# Altium PCB Load_Bank_Master.PcbDoc (part 1 of 3) (continued)
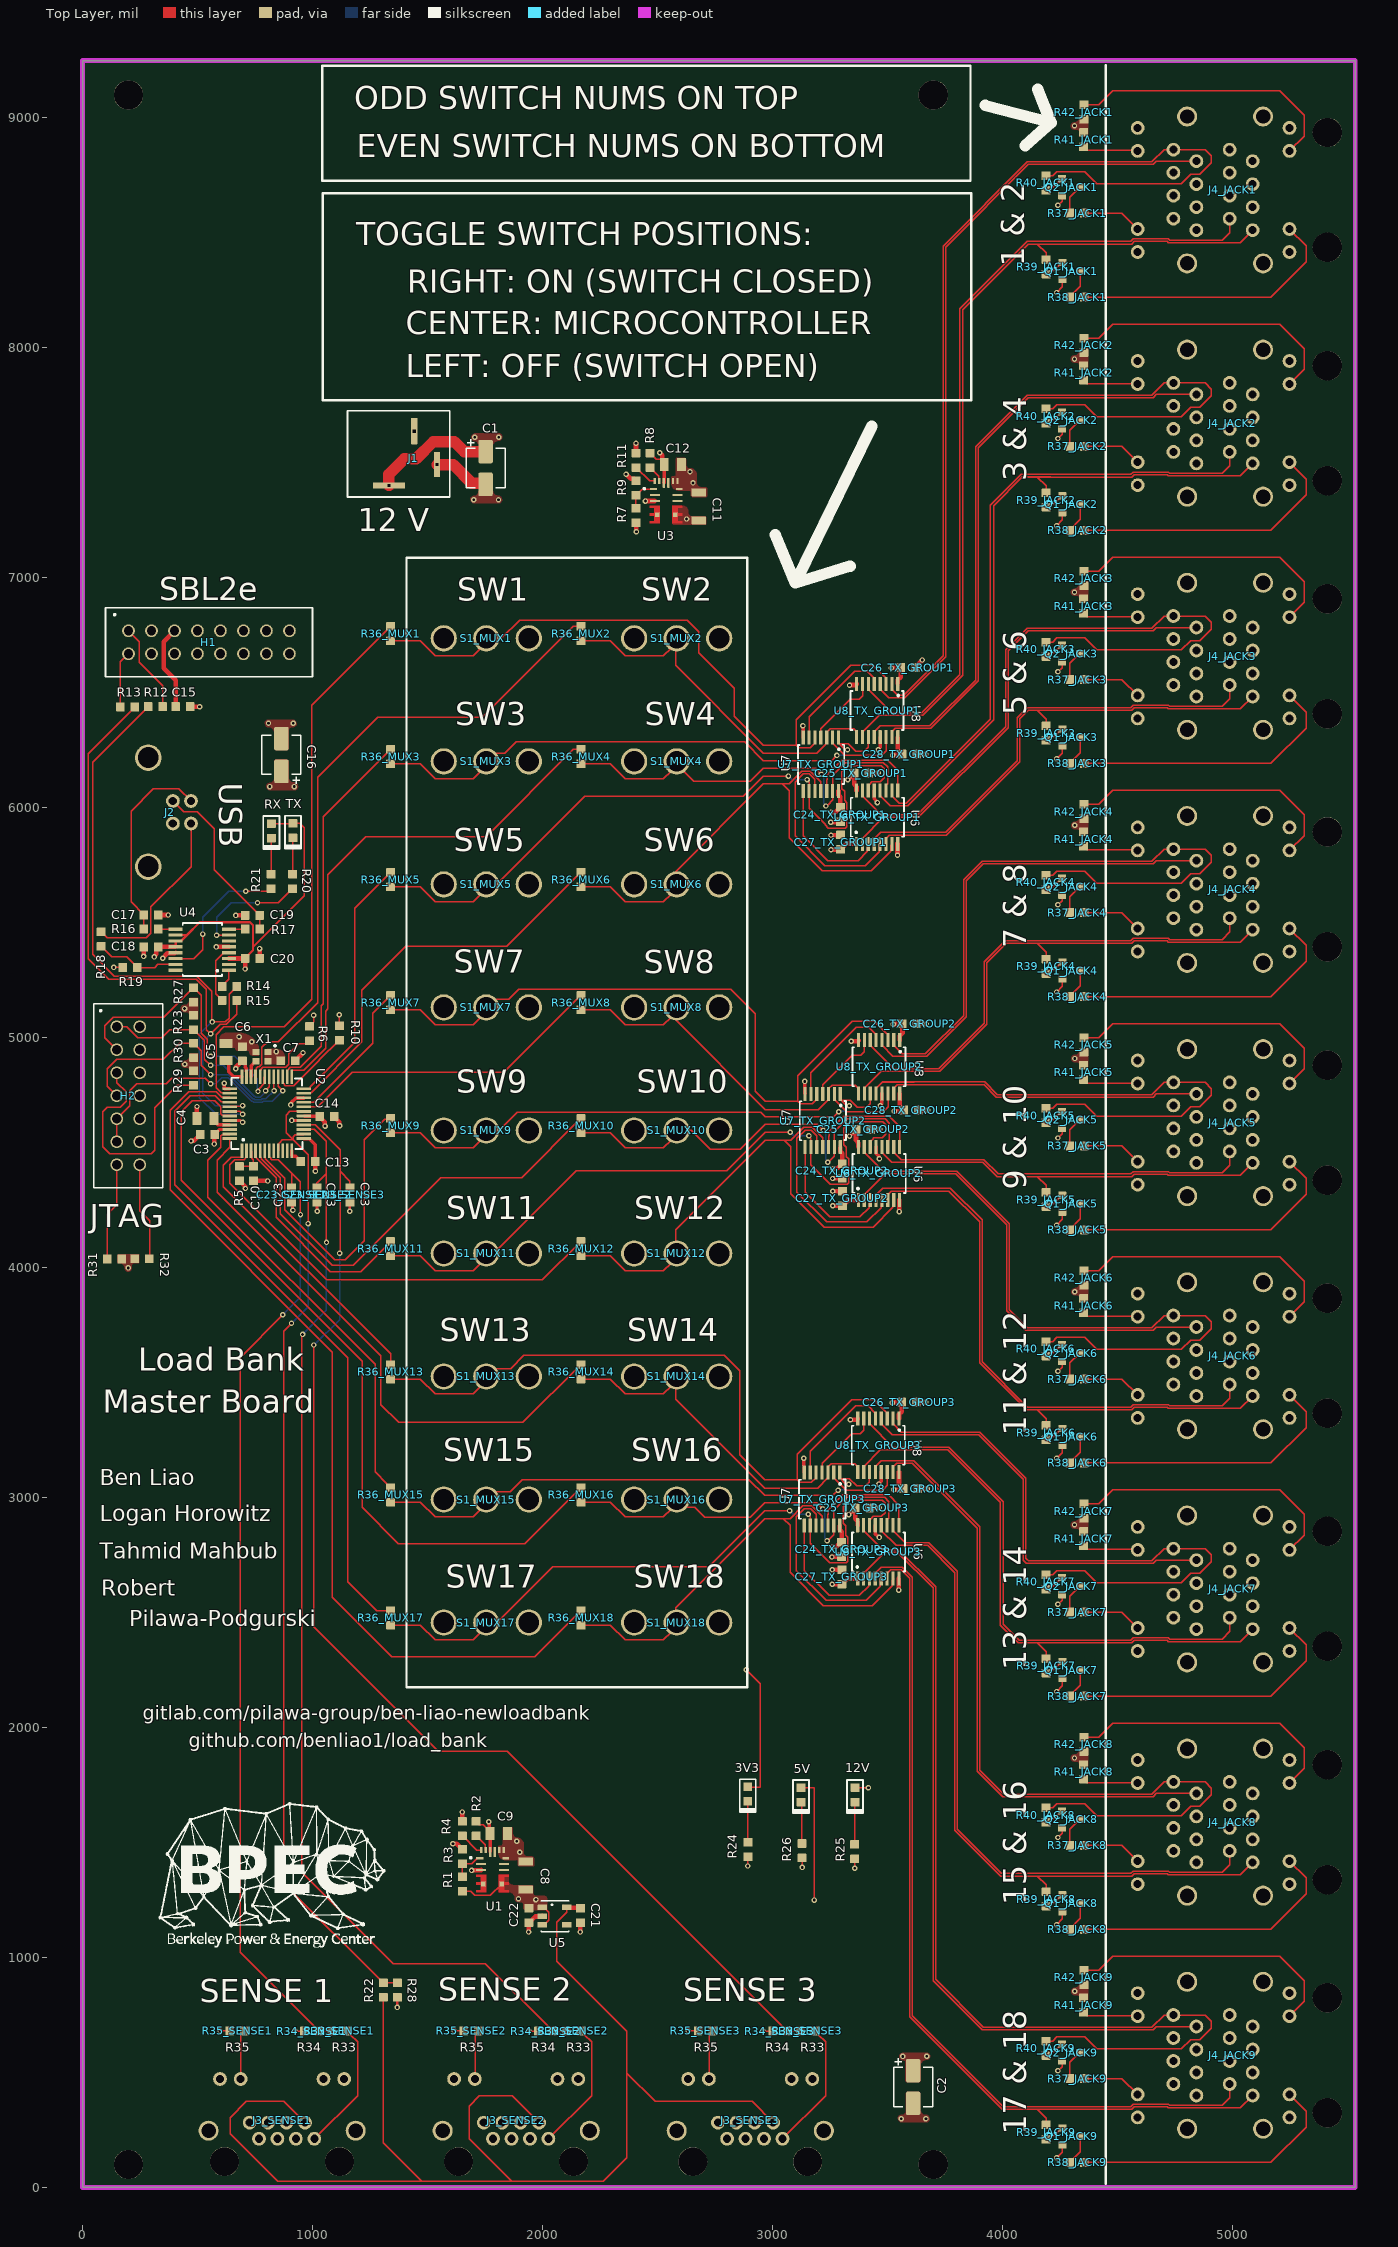
[diagram p0: Top Layer view]
## Design rules (kind name [scope] priority, off if disabled: settings) (continued)
RoomDefinition JACK5 [InComponentClass('JACK5')] p26: confinementstyle=ConfineIn formatcopy=TRUE lockcomponents=FALSE outline 4108,4130 5820,4130 5820,5144 4108,5144
RoomDefinition JACK4 [InComponentClass('JACK4')] p27: confinementstyle=ConfineIn formatcopy=TRUE lockcomponents=FALSE outline 4108,5144 5820,5144 5820,6158 4108,6158
RoomDefinition JACK3 [InComponentClass('JACK3')] p28: confinementstyle=ConfineIn formatcopy=TRUE lockcomponents=FALSE outline 4108,6158 5820,6158 5820,7172 4108,7172
RoomDefinition JACK2 [InComponentClass('JACK2')] p29: confinementstyle=ConfineIn formatcopy=TRUE lockcomponents=FALSE outline 4108,7172 5820,7172 5820,8186 4108,8186
RoomDefinition JACK1 [InComponentClass('JACK1')] p30: confinementstyle=ConfineIn formatcopy=TRUE lockcomponents=FALSE outline 4108,8186 5820,8186 5820,9200 4108,9200
RoomDefinition SENSE3 [InComponentClass('SENSE3') and not InComponent('C23_SENSE3')] p31: confinementstyle=ConfineIn formatcopy=TRUE lockcomponents=FALSE outline 2394,719 2394,-248 3412,-248 3412,719
RoomDefinition SENSE2 [InComponentClass('SENSE2') and not InComponent('C23_SENSE2')] p32: confinementstyle=ConfineIn formatcopy=TRUE lockcomponents=FALSE outline 1376,719 1376,-248 2394,-248 2394,719
RoomDefinition SENSE1 [InComponentClass('SENSE1') and not InComponent('C23_SENSE1')] p33: confinementstyle=ConfineIn formatcopy=FALSE lockcomponents=FALSE outline 358,719 358,-248 1376,-248 1376,719
RoutingVias [All] p1: holewidth=11.81 width=23.62 viastyle="Through Hole" minholewidth=11.81 minwidth=23.62 maxholewidth=248.03 maxwidth=393.7
SilkToSilkClearance [All] p1 off: silktosilkclearance=10
SilkToSolderMaskClearance [IsPad] p1 off: minsilkscreentomaskgap=10 clearancetoexposedcopper=TRUE
SolderMaskExpansion [All] p1: expansion=4 istentingtop=FALSE
UnRoutedNet [All] p1: checkbadconnections=TRUE
Width [All] p1: maxlimit=393.7 minlimit=5 preferedwidth=5.91
22 further rules are at their usual default settings.

## Classes and differential pairs
channel class TX_GROUP: TX_GROUP1 TX_GROUP2 TX_GROUP3
component class TX_GROUP3: C24_TX_GROUP3 C25_TX_GROUP3 C26_TX_GROUP3 C27_TX_GROUP3 C28_TX_GROUP3 U6_TX_GROUP3 U7_TX_GROUP3 U8_TX_GROUP3
component class TX_GROUP2: C24_TX_GROUP2 C25_TX_GROUP2 C26_TX_GROUP2 C27_TX_GROUP2 C28_TX_GROUP2 U6_TX_GROUP2 U7_TX_GROUP2 U8_TX_GROUP2
component class TX_GROUP1: C24_TX_GROUP1 C25_TX_GROUP1 C26_TX_GROUP1 C27_TX_GROUP1 C28_TX_GROUP1 U6_TX_GROUP1 U7_TX_GROUP1 U8_TX_GROUP1 u10_1
channel class MUX: MUX1 MUX2 MUX3 MUX4 MUX5 MUX6 MUX7 MUX8 MUX9 MUX10 MUX11 MUX12 MUX13 MUX14 MUX15 MUX16 MUX17 MUX18
channel class Jack: JACK1 JACK2 JACK3 JACK4 JACK5 JACK6 JACK7 JACK8 JACK9
channel class Current_Sense: SENSE1 SENSE2 SENSE3
net class I_SENSE_[1..3]: I_SENSE_1 I_SENSE_2 I_SENSE_3
net class \12V_SW[1..18]: \12V_SW1 \12V_SW2 \12V_SW3 \12V_SW4 \12V_SW5 \12V_SW6 \12V_SW7 \12V_SW8 \12V_SW9 \12V_SW10 \12V_SW11 \12V_SW12 \12V_SW13 \12V_SW14 \12V_SW15 \12V_SW16 \12V_SW17 \12V_SW18
net class 12V_SW[1..18]: 12V_SW1 12V_SW2 12V_SW3 12V_SW4 12V_SW5 12V_SW6 12V_SW7 12V_SW8 12V_SW9 12V_SW10 12V_SW11 12V_SW12 12V_SW13 12V_SW14 12V_SW15 12V_SW16 12V_SW17 12V_SW18
net class 3V3_SW[1..18]: 3V3_SW1 3V3_SW2 3V3_SW3 3V3_SW4 3V3_SW5 3V3_SW6 3V3_SW7 3V3_SW8 3V3_SW9 3V3_SW10 3V3_SW11 3V3_SW12 3V3_SW13 3V3_SW14 3V3_SW15 3V3_SW16 3V3_SW17 3V3_SW18
net class 3V3_MC_SW[1..18]: 3V3_MC_SW1 3V3_MC_SW2 3V3_MC_SW3 3V3_MC_SW4 3V3_MC_SW5 3V3_MC_SW6 3V3_MC_SW7 3V3_MC_SW8 3V3_MC_SW9 3V3_MC_SW10 3V3_MC_SW11 3V3_MC_SW12 3V3_MC_SW13 3V3_MC_SW14 3V3_MC_SW15 3V3_MC_SW16 3V3_MC_SW17 3V3_MC_SW18
component class SENSE3: C23_SENSE3 J3_SENSE3 R33_SENSE3 R34_SENSE3 R35_SENSE3
component class SENSE2: C23_SENSE2 J3_SENSE2 R33_SENSE2 R34_SENSE2 R35_SENSE2
component class SENSE1: C23_SENSE1 J3_SENSE1 R33_SENSE1 R34_SENSE1 R35_SENSE1
component class MUX18: R36_MUX18 S1_MUX18
component class MUX17: R36_MUX17 S1_MUX17
component class MUX16: R36_MUX16 S1_MUX16
component class MUX15: R36_MUX15 S1_MUX15
component class MUX14: R36_MUX14 S1_MUX14
component class MUX13: R36_MUX13 S1_MUX13
component class MUX12: R36_MUX12 S1_MUX12
component class MUX11: R36_MUX11 S1_MUX11
component class MUX10: R36_MUX10 S1_MUX10
component class MUX9: R36_MUX9 S1_MUX9
component class MUX8: R36_MUX8 S1_MUX8
component class MUX7: R36_MUX7 S1_MUX7
component class MUX6: R36_MUX6 S1_MUX6
component class MUX5: R36_MUX5 S1_MUX5
component class MUX4: R36_MUX4 S1_MUX4
component class MUX3: R36_MUX3 S1_MUX3
component class MUX2: R36_MUX2 S1_MUX2
component class MUX1: R36_MUX1 S1_MUX1
component class Load_Bank_Master: 3V3 5V 12V C1 C2 C3 C4 C5 C6 C7 C8 C9 C10 C11 C12 C13 C14 C15 C16 C17 C18 C19 C20 C21 C22 H1 H2 J1 J2 R1 R2 R3 R4 R5 R6 R7 R8 R9 R10 R11 R12 R13 R14 R15 R16 R17 R18 R19 R20 R21 R22 R23 R24 R25 R26 R27 R28 R29 R30 R31 R32 RX TX U1 U2 U3 U4 U5 X1
component class JACK9: J4_JACK9 Q1_JACK9 Q2_JACK9 R37_JACK9 R38_JACK9 R39_JACK9 R40_JACK9 R41_JACK9 R42_JACK9
component class JACK8: J4_JACK8 Q1_JACK8 Q2_JACK8 R37_JACK8 R38_JACK8 R39_JACK8 R40_JACK8 R41_JACK8 R42_JACK8
component class JACK7: J4_JACK7 Q1_JACK7 Q2_JACK7 R37_JACK7 R38_JACK7 R39_JACK7 R40_JACK7 R41_JACK7 R42_JACK7
component class JACK6: J4_JACK6 Q1_JACK6 Q2_JACK6 R37_JACK6 R38_JACK6 R39_JACK6 R40_JACK6 R41_JACK6 R42_JACK6
component class JACK5: J4_JACK5 Q1_JACK5 Q2_JACK5 R37_JACK5 R38_JACK5 R39_JACK5 R40_JACK5 R41_JACK5 R42_JACK5
component class JACK4: J4_JACK4 Q1_JACK4 Q2_JACK4 R37_JACK4 R38_JACK4 R39_JACK4 R40_JACK4 R41_JACK4 R42_JACK4
component class JACK3: J4_JACK3 Q1_JACK3 Q2_JACK3 R37_JACK3 R38_JACK3 R39_JACK3 R40_JACK3 R41_JACK3 R42_JACK3
component class JACK2: J4_JACK2 Q1_JACK2 Q2_JACK2 R37_JACK2 R38_JACK2 R39_JACK2 R40_JACK2 R41_JACK2 R42_JACK2
component class JACK1: J4_JACK1 Q1_JACK1 Q2_JACK1 R37_JACK1 R38_JACK1 R39_JACK1 R40_JACK1 R41_JACK1 R42_JACK1

## Components (designator, comment, footprint, x,y, rotation, side; value= is the part's Value field where it differs from the comment)
3V3 "Red" 0603_LED 2893,1679 r90 top
5V "Red" 0603_LED 3125,1676 r90 top
12V "Red" 0603_LED 3360,1676 r90 top
C1 "10uF" ALUM_CAP 1753,7478 r90 top
C2 "10uF" ALUM_CAP 3612,437 r90 top
C3 "1uF" 0603_CAP 575,4580 r180 top
C4 "10uF" 0805_CAP 572,4649 r180 top
C5 "10uF" 0805_CAP 624,4901 r90 top
C6 "1uF" 0603_CAP 695,4899 r90 top
C7 "100nF" 0603_CAP 926,4900 r180 top
C8 "22uF" 1206_CAP 1928,1418 r270 top
C9 "10uF" 0805_CAP 1848,1539 r180 top
C10 "100nF" 0603_CAP 743,4378 r90 top
C11 "22uF" 1206_CAP 2681,7372 r270 top
C12 "10uF" 0805_CAP 2605,7493 r180 top
C13 "2.2uF" 0603_CAP 1012,4462 r180 top
C14 "2.2uF" 0603_CAP 1094,4658 r180 top
C15 "1uF" 0603_CAP 468,6440 r180 top
C16 "4.7uF" ALUM_CAP 865,6230 r270 top
C17 "47pf" 0603_CAP 330,5534 r180 top
C18 "100nF" 0603_CAP 267,5395 r0 top
C19 "47pf" 0603_CAP 707,5532 r0 top
C20 "100nF" 0603_CAP 770,5345 r180 top
C21 "1uF" 0603_CAP 2166,1152 r90 top
C22 "1uF" 0603_CAP 1941,1152 r90 top
C23_SENSE1 "C23" 0603_CAP 909,4285 r90 top (schematic designator C23)
C23_SENSE2 "C23" 0603_CAP 1019,4285 r90 top (schematic designator C23)
C23_SENSE3 "C23" 0603_CAP 1163,4285 r90 top (schematic designator C23)
C24_TX_GROUP1 "1uF" 0603_CAP 3296,6002 r270 top (schematic designator C24)
C24_TX_GROUP2 "1uF" 0603_CAP 3304,4453 r270 top (schematic designator C24)
C24_TX_GROUP3 "1uF" 0603_CAP 3301,2807 r270 top (schematic designator C24)
C25_TX_GROUP1 "1uF" 0603_CAP 3419,6151 r180 top (schematic designator C25)
C25_TX_GROUP2 "1uF" 0603_CAP 3427,4602 r180 top (schematic designator C25)
C25_TX_GROUP3 "1uF" 0603_CAP 3424,2956 r180 top (schematic designator C25)
C26_TX_GROUP1 "1uF" 0603_CAP 3558,6610 r0 top (schematic designator C26)
C26_TX_GROUP2 "1uF" 0603_CAP 3566,5061 r0 top (schematic designator C26)
C26_TX_GROUP3 "1uF" 0603_CAP 3563,3415 r0 top (schematic designator C26)
C27_TX_GROUP1 "1uF" 0603_CAP 3297,5819 r90 top (schematic designator C27)
C27_TX_GROUP2 "1uF" 0603_CAP 3305,4270 r90 top (schematic designator C27)
C27_TX_GROUP3 "1uF" 0603_CAP 3302,2624 r90 top (schematic designator C27)
C28_TX_GROUP1 "1uF" 0603_CAP 3627,6234 r180 top (schematic designator C28)
C28_TX_GROUP2 "1uF" 0603_CAP 3635,4685 r180 top (schematic designator C28)
C28_TX_GROUP3 "1uF" 0603_CAP 3632,3039 r180 top (schematic designator C28)
H1 "H_SBL2e_16_Header" 16PIN_HEADER 900,6770 r270 top
H2 "H_TI_JTAG_14_Header" 14PIN_HEADER 149,5048 r0 top
J1 "J_Barrel_Jack" PWR_JACK 1333,7540 r90 top
J2 "J_USB_B_Jack" USB_B_JACK 286,6218 r270 top
J3_SENSE1 "RJ45 Jack" RJ45_JACK 618,112 r0 top (schematic designator J3)
J3_SENSE2 "RJ45 Jack" RJ45_JACK 1636,112 r0 top (schematic designator J3)
J3_SENSE3 "RJ45 Jack" RJ45_JACK 2654,112 r0 top (schematic designator J3)
J4_JACK1 "RJ45 Jack 2x1" RJ45_JACK_STACKED 5414,8437 r90 top (schematic designator J4)
J4_JACK2 "RJ45 Jack 2x1" RJ45_JACK_STACKED 5414,7423 r90 top (schematic designator J4)
J4_JACK3 "RJ45 Jack 2x1" RJ45_JACK_STACKED 5414,6409 r90 top (schematic designator J4)
J4_JACK4 "RJ45 Jack 2x1" RJ45_JACK_STACKED 5414,5395 r90 top (schematic designator J4)
J4_JACK5 "RJ45 Jack 2x1" RJ45_JACK_STACKED 5414,4381 r90 top (schematic designator J4)
J4_JACK6 "RJ45 Jack 2x1" RJ45_JACK_STACKED 5414,3367 r90 top (schematic designator J4)
J4_JACK7 "RJ45 Jack 2x1" RJ45_JACK_STACKED 5414,2353 r90 top (schematic designator J4)
J4_JACK8 "RJ45 Jack 2x1" RJ45_JACK_STACKED 5414,1339 r90 top (schematic designator J4)
J4_JACK9 "RJ45 Jack 2x1" RJ45_JACK_STACKED 5414,325 r90 top (schematic designator J4)
Q1_JACK1 "Logic FET" SOT23 4340,8334 r90 top (schematic designator Q1)
Q1_JACK2 "Logic FET" SOT23 4340,7320 r90 top (schematic designator Q1)
Q1_JACK3 "Logic FET" SOT23 4340,6306 r90 top (schematic designator Q1)
Q1_JACK4 "Logic FET" SOT23 4340,5292 r90 top (schematic designator Q1)
Q1_JACK5 "Logic FET" SOT23 4340,4278 r90 top (schematic designator Q1)
Q1_JACK6 "Logic FET" SOT23 4340,3264 r90 top (schematic designator Q1)
Q1_JACK7 "Logic FET" SOT23 4340,2250 r90 top (schematic designator Q1)
Q1_JACK8 "Logic FET" SOT23 4340,1236 r90 top (schematic designator Q1)
Q1_JACK9 "Logic FET" SOT23 4340,222 r90 top (schematic designator Q1)
Q2_JACK1 "Logic FET" SOT23 4339,8699 r90 top (schematic designator Q2)
Q2_JACK2 "Logic FET" SOT23 4339,7685 r90 top (schematic designator Q2)
Q2_JACK3 "Logic FET" SOT23 4339,6671 r90 top (schematic designator Q2)
Q2_JACK4 "Logic FET" SOT23 4339,5657 r90 top (schematic designator Q2)
Q2_JACK5 "Logic FET" SOT23 4339,4643 r90 top (schematic designator Q2)
Q2_JACK6 "Logic FET" SOT23 4339,3629 r90 top (schematic designator Q2)
Q2_JACK7 "Logic FET" SOT23 4339,2615 r90 top (schematic designator Q2)
Q2_JACK8 "Logic FET" SOT23 4339,1601 r90 top (schematic designator Q2)
Q2_JACK9 "Logic FET" SOT23 4339,587 r90 top (schematic designator Q2)
R1 "100k" 0603_RES 1652,1351 r270 top
R2 "100k" 0603_RES 1712,1592 r270 top
R3 "19.1k" 0603_RES 1652,1471 r270 top
R4 "45.3k" 0603_RES 1652,1592 r270 top
R5 "2.2k" 0603_RES 682,4441 r270 top
R6 "3.3k" 0603_RES 988,5050 r270 top
R7 "75k" 0603_RES 2407,7240 r90 top
R8 "100k" 0603_RES 2468,7543 r270 top
R9 "24k" 0603_RES 2407,7423 r270 top
R10 "3.3k" 0603_RES 1117,5052 r270 top
R11 "33k" 0603_RES 2407,7543 r270 top
R12 "100" 0603_RES 348,6440 r180 top
R13 "100" 0603_RES 165,6439 r0 top
R14 "100" 0603_RES 607,5223 r0 top
R15 "100" 0603_RES 607,5163 r0 top
R16 "27" 0603_RES 267,5473 r0 top
R17 "27" 0603_RES 770,5473 r180 top
R18 "4.7k" 0603_RES 81,5397 r90 top
R19 "10k" 0603_RES 175,5305 r0 top
R20 "270" 0603_RES 914,5649 r90 top
R21 "270" 0603_RES 820,5649 r90 top
R22 "10k, 0.05%" 0603_RES 1308,827 r90 top
R23 "2.2k" 0603_RES 483,5035 r90 top
R24 "698" 0603_RES 2894,1439 r90 top
R25 "3.3k" 0603_RES 3358,1429 r90 top
R26 "1k" 0603_RES 3129,1433 r90 top
R27 "10k" 0603_RES 483,5218 r270 top
R28 "20k, 0.05%" 0603_RES 1369,827 r90 top
R29 "100" 0603_RES 483,4793 r90 top
R30 "10k" 0603_RES 483,4977 r270 top
R31 "4.7k" 0603_RES 107,4038 r0 top
R32 "4.7k" 0603_RES 291,4039 r180 top
R33_SENSE1 "R33" 0603_RES 1148,681 r180 top (schematic designator R33)
R33_SENSE2 "R33" 0603_RES 2166,681 r180 top (schematic designator R33)
R33_SENSE3 "R33" 0603_RES 3184,681 r180 top (schematic designator R33)
R34_SENSE1 "R34" 0603_RES 965,680 r0 top (schematic designator R34)
R34_SENSE2 "R34" 0603_RES 1983,680 r0 top (schematic designator R34)
R34_SENSE3 "R34" 0603_RES 3001,680 r0 top (schematic designator R34)
R35_SENSE1 "R35" 0603_RES 641,681 r0 top (schematic designator R35)
R35_SENSE2 "R35" 0603_RES 1659,681 r0 top (schematic designator R35)
R35_SENSE3 "R35" 0603_RES 2677,681 r0 top (schematic designator R35)
R36_MUX1 "3.3k" 0603_RES 1340,6789 r270 top (schematic designator R36)
R36_MUX2 "3.3k" 0603_RES 2168,6789 r270 top (schematic designator R36)
R36_MUX3 "3.3k" 0603_RES 1340,6254 r270 top (schematic designator R36)
R36_MUX4 "3.3k" 0603_RES 2168,6254 r270 top (schematic designator R36)
R36_MUX5 "3.3k" 0603_RES 1340,5719 r270 top (schematic designator R36)
R36_MUX6 "3.3k" 0603_RES 2168,5719 r270 top (schematic designator R36)
R36_MUX7 "3.3k" 0603_RES 1340,5184 r270 top (schematic designator R36)
R36_MUX8 "3.3k" 0603_RES 2168,5184 r270 top (schematic designator R36)
R36_MUX9 "3.3k" 0603_RES 1340,4649 r270 top (schematic designator R36)
R36_MUX10 "3.3k" 0603_RES 2168,4649 r270 top (schematic designator R36)
R36_MUX11 "3.3k" 0603_RES 1340,4114 r270 top (schematic designator R36)
R36_MUX12 "3.3k" 0603_RES 2168,4114 r270 top (schematic designator R36)
R36_MUX13 "3.3k" 0603_RES 1340,3579 r270 top (schematic designator R36)
R36_MUX14 "3.3k" 0603_RES 2168,3579 r270 top (schematic designator R36)
R36_MUX15 "3.3k" 0603_RES 1340,3044 r270 top (schematic designator R36)
R36_MUX16 "3.3k" 0603_RES 2168,3044 r270 top (schematic designator R36)
R36_MUX17 "3.3k" 0603_RES 1340,2509 r270 top (schematic designator R36)
R36_MUX18 "3.3k" 0603_RES 2168,2509 r270 top (schematic designator R36)
R37_JACK1 "3.3k" 0603_RES 4294,8586 r0 top (schematic designator R37)
R37_JACK2 "3.3k" 0603_RES 4294,7572 r0 top (schematic designator R37)
R37_JACK3 "3.3k" 0603_RES 4294,6558 r0 top (schematic designator R37)
R37_JACK4 "3.3k" 0603_RES 4294,5544 r0 top (schematic designator R37)
R37_JACK5 "3.3k" 0603_RES 4294,4530 r0 top (schematic designator R37)
R37_JACK6 "3.3k" 0603_RES 4294,3516 r0 top (schematic designator R37)
R37_JACK7 "3.3k" 0603_RES 4294,2502 r0 top (schematic designator R37)
R37_JACK8 "3.3k" 0603_RES 4294,1488 r0 top (schematic designator R37)
R37_JACK9 "3.3k" 0603_RES 4294,474 r0 top (schematic designator R37)
R38_JACK1 "3.3k" 0603_RES 4294,8221 r0 top (schematic designator R38)
R38_JACK2 "3.3k" 0603_RES 4294,7207 r0 top (schematic designator R38)
R38_JACK3 "3.3k" 0603_RES 4294,6193 r0 top (schematic designator R38)
R38_JACK4 "3.3k" 0603_RES 4294,5179 r0 top (schematic designator R38)
R38_JACK5 "3.3k" 0603_RES 4294,4165 r0 top (schematic designator R38)
R38_JACK6 "3.3k" 0603_RES 4294,3151 r0 top (schematic designator R38)
R38_JACK7 "3.3k" 0603_RES 4294,2137 r0 top (schematic designator R38)
R38_JACK8 "3.3k" 0603_RES 4294,1123 r0 top (schematic designator R38)
R38_JACK9 "3.3k" 0603_RES 4294,109 r0 top (schematic designator R38)
R39_JACK1 "3.3k" 0603_RES 4191,8321 r90 top (schematic designator R39)
R39_JACK2 "3.3k" 0603_RES 4191,7307 r90 top (schematic designator R39)
R39_JACK3 "3.3k" 0603_RES 4191,6293 r90 top (schematic designator R39)
R39_JACK4 "3.3k" 0603_RES 4191,5279 r90 top (schematic designator R39)
R39_JACK5 "3.3k" 0603_RES 4191,4265 r90 top (schematic designator R39)
R39_JACK6 "3.3k" 0603_RES 4191,3251 r90 top (schematic designator R39)
R39_JACK7 "3.3k" 0603_RES 4191,2237 r90 top (schematic designator R39)
R39_JACK8 "3.3k" 0603_RES 4191,1223 r90 top (schematic designator R39)
R39_JACK9 "3.3k" 0603_RES 4191,209 r90 top (schematic designator R39)
R40_JACK1 "3.3k" 0603_RES 4190,8686 r90 top (schematic designator R40)
R40_JACK2 "3.3k" 0603_RES 4190,7672 r90 top (schematic designator R40)
R40_JACK3 "3.3k" 0603_RES 4190,6658 r90 top (schematic designator R40)
R40_JACK4 "3.3k" 0603_RES 4190,5644 r90 top (schematic designator R40)
R40_JACK5 "3.3k" 0603_RES 4190,4630 r90 top (schematic designator R40)
R40_JACK6 "3.3k" 0603_RES 4190,3616 r90 top (schematic designator R40)
R40_JACK7 "3.3k" 0603_RES 4190,2602 r90 top (schematic designator R40)
R40_JACK8 "3.3k" 0603_RES 4190,1588 r90 top (schematic designator R40)
R40_JACK9 "3.3k" 0603_RES 4190,574 r90 top (schematic designator R40)
R41_JACK1 "3.3k" 0603_RES 4354,8937 r270 top (schematic designator R41)
R41_JACK2 "3.3k" 0603_RES 4354,7923 r270 top (schematic designator R41)
R41_JACK3 "3.3k" 0603_RES 4354,6909 r270 top (schematic designator R41)
R41_JACK4 "3.3k" 0603_RES 4354,5895 r270 top (schematic designator R41)
R41_JACK5 "3.3k" 0603_RES 4354,4881 r270 top (schematic designator R41)
R41_JACK6 "3.3k" 0603_RES 4354,3867 r270 top (schematic designator R41)
R41_JACK7 "3.3k" 0603_RES 4354,2853 r270 top (schematic designator R41)
R41_JACK8 "3.3k" 0603_RES 4354,1839 r270 top (schematic designator R41)
R41_JACK9 "3.3k" 0603_RES 4354,825 r270 top (schematic designator R41)
R42_JACK1 "3.3k" 0603_RES 4355,8994 r90 top (schematic designator R42)
R42_JACK2 "3.3k" 0603_RES 4355,7980 r90 top (schematic designator R42)
R42_JACK3 "3.3k" 0603_RES 4355,6966 r90 top (schematic designator R42)
R42_JACK4 "3.3k" 0603_RES 4355,5952 r90 top (schematic designator R42)
R42_JACK5 "3.3k" 0603_RES 4355,4938 r90 top (schematic designator R42)
R42_JACK6 "3.3k" 0603_RES 4355,3924 r90 top (schematic designator R42)
R42_JACK7 "3.3k" 0603_RES 4355,2910 r90 top (schematic designator R42)
R42_JACK8 "3.3k" 0603_RES 4355,1896 r90 top (schematic designator R42)
R42_JACK9 "3.3k" 0603_RES 4355,882 r90 top (schematic designator R42)
RX "Red" 0603_LED 821,5868 r90 top
S1_MUX1 "S_Toggle" TOGGLE 1941,6737 r180 top (schematic designator S1)
S1_MUX2 "S_Toggle" TOGGLE 2769,6737 r180 top (schematic designator S1)
S1_MUX3 "S_Toggle" TOGGLE 1941,6202 r180 top (schematic designator S1)
S1_MUX4 "S_Toggle" TOGGLE 2769,6202 r180 top (schematic designator S1)
S1_MUX5 "S_Toggle" TOGGLE 1941,5667 r180 top (schematic designator S1)
S1_MUX6 "S_Toggle" TOGGLE 2769,5667 r180 top (schematic designator S1)
S1_MUX7 "S_Toggle" TOGGLE 1941,5132 r180 top (schematic designator S1)
S1_MUX8 "S_Toggle" TOGGLE 2769,5132 r180 top (schematic designator S1)
S1_MUX9 "S_Toggle" TOGGLE 1941,4597 r180 top (schematic designator S1)
S1_MUX10 "S_Toggle" TOGGLE 2769,4597 r180 top (schematic designator S1)
S1_MUX11 "S_Toggle" TOGGLE 1941,4062 r180 top (schematic designator S1)
S1_MUX12 "S_Toggle" TOGGLE 2769,4062 r180 top (schematic designator S1)
S1_MUX13 "S_Toggle" TOGGLE 1941,3527 r180 top (schematic designator S1)
S1_MUX14 "S_Toggle" TOGGLE 2769,3527 r180 top (schematic designator S1)
S1_MUX15 "S_Toggle" TOGGLE 1941,2992 r180 top (schematic designator S1)
S1_MUX16 "S_Toggle" TOGGLE 2769,2992 r180 top (schematic designator S1)
S1_MUX17 "S_Toggle" TOGGLE 1941,2457 r180 top (schematic designator S1)
S1_MUX18 "S_Toggle" TOGGLE 2769,2457 r180 top (schematic designator S1)
TX "Red" 0603_LED 915,5869 r90 top
U1 "U_Power_Converter" PWR_CONVERTER 1783,1371 r0 top
U2 "U_Microcontroller" MICROCONTROLLER 802,4670 r90 top
U3 "U_Power_Converter" PWR_CONVERTER 2538,7325 r0 top
U4 "U_USB_UART_Converter" TSSOP-16 521,5383 r180 top
U5 "U_LDO" SOT25 2000,1218 r270 top
U6_TX_GROUP1 "U6" TSSOP-16 3456,5959 r90 top (schematic designator U6)
U6_TX_GROUP2 "U6" TSSOP-16 3464,4410 r90 top (schematic designator U6)
U6_TX_GROUP3 "U6" TSSOP-16 3461,2764 r90 top (schematic designator U6)
U7_TX_GROUP1 "U7" INVERTER 3211,6189 r270 top (schematic designator U7)
U7_TX_GROUP2 "U7" INVERTER 3219,4640 r270 top (schematic designator U7)
U7_TX_GROUP3 "U7" INVERTER 3216,2994 r270 top (schematic designator U7)
U8_TX_GROUP1 "U8" TSSOP-16 3456,6423 r270 top (schematic designator U8)
U8_TX_GROUP2 "U8" TSSOP-16 3464,4874 r270 top (schematic designator U8)
U8_TX_GROUP3 "U8" TSSOP-16 3461,3228 r270 top (schematic designator U8)
X1 "X_Crystal_25MHz" CRYSTAL 780,4918.3 r0 top

## Footprints (in the part's own frame and the unit in brackets; to place one, negate y for a bottom-side part, rotate by r counter-clockwise, add the part's x,y. Pads: shape width x height; smd on the part's side, far side on the other; paste and mask are expansions set on the pad)
14PIN_HEADER [mil] "14-Pin TI JTAG Header Footprint"
  round 55 hole 40: 1(0,0) 2(100,0) 3(0,-100) 4(100,-100) 5(0,-200) 6(100,-200) 7(0,-300) 8(100,-300) 9(0,-400) 10(100,-400) 11(0,-500) 12(100,-500) 13(0,-600) 14(100,-600)
  silkscreen extent -100,-700 200,100, body extent -50,-650 150,50, height 336
16PIN_HEADER [mil] "16-Pin SBL2e NetBurner Header Footprint"
  round 55 hole 40: 1(0,-700) 2(100,-700) 3(0,-600) 4(100,-600) 5(0,-500) 6(100,-500) 7(0,-400) 8(100,-400) 9(0,-300) 10(100,-300) 11(0,-200) 12(100,-200) 13(0,-100) 14(100,-100) 15(0,0) 16(100,0)
  silkscreen extent -100,-800 200,100, body extent -45,-746 150,46, height 338
0603_CAP [mil] "SMD 0603 Capacitor Footprint"
  rrect10% 37x39 smd: 1(0,0) 2(63,0)
  body extent 0,-15 63,16, height 32
0603_LED [mil] "SMD 0603 LED Footprint"
  rrect10% 37x39 smd: 1(0,0) 2(63,0)
  silkscreen extent -47,-35 96,35, body extent 0,-16 63,16, height 43
0603_RES [mil] "SMD 0603 Resistor Footprint"
  rrect10% 37x39 smd: 1(0,0) 2(63,0)
  body extent 0,-16 63,16, height 18
0805_CAP [mil] "SMD 0805 Capacitor Footprint"
  rrect10% 39x57 smd: 1(0,0) 2(75,0)
  body extent -2,-25 77,25, height 49
1206_CAP [mil] "1206 SMD Capacitor Footprint"
  rrect10% 35x63 smd: 1(0,0) 2(122,0)
  body extent -2,-31 124,32, height 62
ALUM_CAP [mil] "25 V Aluminum Electrolytic Cap"
  rrect25% 102x63 smd: 1(-71,0) 2(71,0)
  silkscreen extent -85,-85 125,85, body extent -108,-84 108,85, height 213
CRYSTAL [mil] "Crystal Oscillator Footprint"
  rrect10% 31x28 smd: 1(26,19.7) 2(-26,19.7) 3(-26,-19.7) 4(26,-19.7)
  silkscreen extent 53,43 61,51, body extent -38,-31 40,31, height 31
INVERTER [mil] "6-in-1 Inverter TSSOP-14 Footprint"
  rrect10% 61x14 smd mask+3: 1(-116,76.8) 2(-116,51.2) 3(-116,25.6) 4(-116,0) 5(-116,-25.6) 6(-116,-51.2) 7(-116,-76.8) 8(116,-76.8) 9(116,-51.2) 10(116,-25.6) 11(116,0) 12(116,25.6) 13(116,51.2) 14(116,76.8)
  silkscreen extent -85,-100 86,102, body extent -126,-98 126,98, height 39
MICROCONTROLLER [mil] "LQFP-48 Microcontroller Footprint"
  rrect10% 63x11.8 smd mask+2: 1(-161,108.3) 2(-161,88.6) 3(-161,68.9) 4(-161,49.2) 5(-161,29.5) 6(-161,9.8) 7(-161,-9.8) 8(-161,-29.5) 9(-161,-49.2) 10(-161,-68.9) 11(-161,-88.6) 12(-161,-108.3) 25(161,-108.3) 26(161,-88.6) 27(161,-68.9) 28(161,-49.2) 29(161,-29.5) 30(161,-9.8) 31(161,9.8) 32(161,29.5) 33(161,49.2) 34(161,68.9) 35(161,88.6) 36(161,108.3)
  rrect10% 11.8x63 smd mask+2: 13(-108.3,-161) 14(-88.6,-161) 15(-68.9,-161) 16(-49.2,-161) 17(-29.5,-161) 18(-9.8,-161) 19(9.8,-161) 20(29.5,-161) 21(49.2,-161) 22(68.9,-161) 23(88.6,-161) 24(108.3,-161) 37(108.3,161) 38(88.6,161) 39(68.9,161) 40(49.2,161) 41(29.5,161) 42(9.8,161) 43(-9.8,161) 44(-29.5,161) 45(-49.2,161) 46(-68.9,161) 47(-88.6,161) 48(-108.3,161)
  silkscreen extent -154,-154 156,155, body extent -177,-177 177,177, height 59
PWR_CONVERTER [mm] "Power Converter 12 - 5/3.3 V QFN-20 3 x 5 mm Footprint"
  rrect10% 0.8x0.25 smd: 1(-1.4,1.55)
  rrect10% 1.1x0.25 smd: 2(-1.25,0.9) 3(-1.25,0.25) 10(1.25,0.25) 11(1.25,0.9)
  rect 0.5x0.5 smd paste-1 mask+0: 4(-1,-1.3) 7(1,-1.3)
  rrect10% 0.7x0.25 smd: 12(1.45,1.55)
  rrect10% 0.25x0.7 smd: 13(1.25,2.45) 14(0.75,2.45) 17(-0.75,2.45) 18(-1.25,2.45)
  rrect10% 0.25x1.1 smd: 15(0.25,2.25) 16(-0.25,2.25)
  Top Layer region: -0.7,-2.225 -1.8,-2.225 -1.8,-1.975 -1.3,-1.975 -1.3,-1.375 -1.8,-1.375 -1.8,-1.125 -1.3,-1.125 -1.3,-0.525 -1.8,-0.525 -1.8,-0.275 -0.7,-0.275
  Top Layer region: 1.8,-0.525 1.3,-0.525 1.3,-1.125 1.8,-1.125 1.8,-1.375 1.3,-1.375 1.3,-1.975 1.8,-1.975 1.8,-2.225 0.7,-2.225 0.7,-0.275 1.8,-0.275
  silkscreen extent -2.5,1.5 -2.3,1.7, body extent -1.5,-2.5 1.5,2.5, height 1.6
PWR_JACK [mil] "Barrel Jack Footprint"
  rrect10% 27x138 hole 12 square: 1(-138,0)
  rrect10% 107x27 hole 12 square: 2(-47,-209)
  rrect10% 114x27 hole 12 square: 3(98,-110)
  silkscreen extent -188,-264 187,181, body extent -179,-253 175,168, height 551
RJ45_JACK [mil] "RJ45 Jack Footprint"
  round 60 hole 35: 1(390,100) 2(349.75,170) 3(309.75,100) 4(269.25,170) 5(229.5,100) 6(189.25,170) 7(149.25,100) 8(109,170) 9(520,360) 10(430,360) 11(70,360) 12(-20,360)
  round 87 hole 63: 13(-70,135) 14(570,135)
  round 126 hole 126 unplated: ""(0,0) ""(500,0)
  body extent -76,-222 585,414, height 522
RJ45_JACK_STACKED [mil] "RJ45 Jack 2x1 Stacked Footprint"
  round 60 hole 35: 101(75,325) 102(125,425) 103(175,325) 104(225,425) 105(275,325) 106(325,425) 107(375,325) 108(425,425) 109(-20,165) 110(80,165) 111(420,165) 112(520,165) 201(425,670) 202(375,570) 203(325,670) 204(275,570) 205(225,670) 206(175,570) 207(125,670) 208(75,570) 209(-20,825) 210(80,825) 211(420,825) 212(520,825)
  round 87 hole 63: 113(-69.5,280) 114(569.5,280) 213(-69.5,610) 214(569.5,610)
  round 128 hole 128 unplated: ""(0,0) ""(500,0)
  body extent -137,-240 637,901, height 1059
SOT23 [mil] "SOT23 Footprint"
  rrect10% 31x35 smd: 1(0,0) 2(37,79) 3(-37,79)
  body extent -59,-9 59,89, height 47
SOT25 [mil] "SOT25 Footprint"
  rrect10% 24x41 smd: 1(0,0) 2(37.4,0) 3(74.8,0) 4(74.8,106) 5(0,106)
  silkscreen extent -30,-5 105,115, body extent -21,-2 97,108, height 55
TOGGLE [mil] "Toggle Switch Footprint"
  round 114 hole 90: 1(0,0) 2(185,0) 3(370,0)
  body extent -65,-135 435,135, height 1160
TSSOP-16 [mil] "TSSOP-16 Footprint"
  rrect10% 61x14 smd mask+3: 1(-116,89.8) 2(-116,64.2) 3(-116,38.6) 4(-116,13) 5(-116,-12.6) 6(-116,-38.2) 7(-116,-63.8) 8(-116,-89.4) 9(116,-89.4) 10(116,-63.8) 11(116,-38.2) 12(116,-12.6) 13(116,13) 14(116,38.6) 15(116,64.2) 16(116,89.8)
  silkscreen extent -85,-116 85,115, body extent -126,-98 126,98, height 43
USB_B_JACK [mil] "USB Type B Jack Footprint"
  round 60 hole 36: 1(286,186) 2(188,186) 3(188,107) 4(286,107)
  round 115 hole 91: 5(0,0) 6(474,0)
  body extent -57,-405 527,245, height 430

## Part data
3V3 5V 12V RX TX: library part LED_0603_Red, "LED SMD 0603 Red"
C1 C2: library part C_10uF_AlElec, "Capacitor SMD Aluminum Electrolytic 10 uF"
C3 C6 C15 C21 C22 C24_TX_GROUP1 C24_TX_GROUP2 C24_TX_GROUP3 C25_TX_GROUP1 C25_TX_GROUP2 C25_TX_GROUP3 C26_TX_GROUP1 C26_TX_GROUP2 C26_TX_GROUP3 C27_TX_GROUP1 C27_TX_GROUP2 C27_TX_GROUP3 C28_TX_GROUP1 C28_TX_GROUP2 C28_TX_GROUP3: library part C_1uF_0603, "Capacitor SMD MLCC 1 uF 0603 25 V"
C4 C5 C9 C12: library part C_10uF_0805, "Capacitor SMD MLCC 10 uF 0805"
C7 C10 C18 C20: library part C_100nF_0603, "Capacitor SMD MLCC 100 nF 0603"
C8 C11: library part C_22uF_1206, "Capacitor SMD MLCC 22 uF 25 V 1206"
C13 C14: library part C_2.2uF_0603, "Capacitor SMD MLCC 2.2 uF 0603"
C16: library part C_4.7uF_AlElec, "Capacitor SMD Aluminum Electrolytic 4.7 uF"
C17 C19: library part C_47pF_0603, "Capacitor SMD MLCC 47 pF 0603"
C23_SENSE1 C23_SENSE2 C23_SENSE3: library part C_1nF_0603, "Capacitor SMD MLCC 1 nF 0603"
H1: "16-pin SBL2e Netburner Header"
H2: "14-pin TI JTAG Header"
J1: "Jack 12 V Barrel Jack Power Plug"
J2: "Jack USB Type B"
J3_SENSE1 J3_SENSE2 J3_SENSE3: library part J_RJ45_Jack_Sense, "Jack RJ-45 8-pin (for current sensing)"
J4_JACK1 J4_JACK2 J4_JACK3 J4_JACK4 J4_JACK5 J4_JACK6 J4_JACK7 J4_JACK8 J4_JACK9: library part J_RJ45_Jack_2x1_Stack, "Jack RJ-45 8-pin 2x1 Stack"
Q1_JACK1 Q1_JACK2 Q1_JACK3 Q1_JACK4 Q1_JACK5 Q1_JACK6 Q1_JACK7 Q1_JACK8 Q1_JACK9 Q2_JACK1 Q2_JACK2 Q2_JACK3 Q2_JACK4 Q2_JACK5 Q2_JACK6 Q2_JACK7 Q2_JACK8 Q2_JACK9: library part Q_NFET, "N-Channel Logic FET SOT23-3"
R1 R2 R8: library part R_100kOhm_0603_0.5%, "Resistor 100 kOhm 0603 0.5%"
R3: library part R_19.1kOhm_0603_0.5%, "Resistor 19.1 kOhm 0603 0.5%"
R4: library part R_45.3kOhm_0603_0.5%, "Resistor 45.3 kOhm 0603 0.5%"
R5 R23: library part R_2.2kOhm_0603_0.5%, "Resistor 2.2 kOhm 0603 0.5%"
R6 R10 R25 R36_MUX1 R36_MUX2 R36_MUX3 R36_MUX4 R36_MUX5 R36_MUX6 R36_MUX7 R36_MUX8 R36_MUX9 R36_MUX10 R36_MUX11 R36_MUX12 R36_MUX13 R36_MUX14 R36_MUX15 R36_MUX16 R36_MUX17 R36_MUX18 R37_JACK1 R37_JACK2 R37_JACK3 R37_JACK4 R37_JACK5 R37_JACK6 R37_JACK7 R37_JACK8 R37_JACK9 R38_JACK1 R38_JACK2 R38_JACK3 R38_JACK4 R38_JACK5 R38_JACK6 R38_JACK7 R38_JACK8 R38_JACK9 R39_JACK1 R39_JACK2 R39_JACK3 R39_JACK4 R39_JACK5 R39_JACK6 R39_JACK7 R39_JACK8 R39_JACK9 R40_JACK1 R40_JACK2 R40_JACK3 R40_JACK4 R40_JACK5 R40_JACK6 R40_JACK7 R40_JACK8 R40_JACK9 R41_JACK1 R41_JACK2 R41_JACK3 R41_JACK4 R41_JACK5 R41_JACK6 R41_JACK7 R41_JACK8 R41_JACK9 R42_JACK1 R42_JACK2 R42_JACK3 R42_JACK4 R42_JACK5 R42_JACK6 R42_JACK7 R42_JACK8 R42_JACK9: library part R_3300Ohm_0603_1%, "Resistor 3.3 kOhm 0603 1%"
R7: library part R_75kOhm_0603_0.5%, "Resistor 75 kOhm 0603 0.5%"
R9: library part R_24kOhm_0603_0.5%, "Resistor 24 kOhm 0603 0.5%"
R11: library part R_33kOhm_0603_0.5%, "Resistor 33 kOhm 0603 0.5%"
R12 R13 R14 R15 R29: library part R_100Ohm_0603_0.5%, "Resistor 100 Ohm 0603 0.5%"
R16 R17: library part R_27Ohm_0603_1%, "Resistor 27 Ohm 0603 1%"
R18 R31 R32: library part R_4.7kOhm_0603_0.5%_1, "Resistor 4.7k kOhm 0603 0.5%"
R19 R27 R30: library part R_10kOhm_0603_0.5%, "Resistor 10 kOhm 0603 0.5%"
R20 R21: library part R_270Ohm_0603_1%, "Resistor 270 Ohm 0603 1%"
R22 R33_SENSE1 R33_SENSE2 R33_SENSE3: library part R_10kOhm_0603_0.05%, "Resistor 10 kOhm 0603 0.05%"
R24: library part R_698Ohm_0603_0.5%, "Resistor 698 Ohm 0603 0.5%"
R26 R35_SENSE1 R35_SENSE2 R35_SENSE3: library part R_1kOhm_0603_0.5%, "Resistor 1 kOhm 0603 0.5%"
R28 R34_SENSE1 R34_SENSE2 R34_SENSE3: library part R_20kOhm_0603_0.05%, "Resistor 20 kOhm 0603 0.05%"
S1_MUX1 S1_MUX2 S1_MUX3 S1_MUX4 S1_MUX5 S1_MUX6 S1_MUX7 S1_MUX8 S1_MUX9 S1_MUX10 S1_MUX11 S1_MUX12 S1_MUX13 S1_MUX14 S1_MUX15 S1_MUX16 S1_MUX17 S1_MUX18: "Switch Toggle"
U1 U3: "IC 12 V to 5V/3.3V switching power converter"
U2: "IC TI C2000 Microcontroller, 48-pin LQFP"
U4: "FTDI USB to UART Converter TSSOP-16 FT230-XS"
U5: "IC 2.5 V LDO"
U6_TX_GROUP1 U6_TX_GROUP2 U6_TX_GROUP3 U8_TX_GROUP1 U8_TX_GROUP2 U8_TX_GROUP3: library part U_Level_Shifter, "IC 6-in-1 level shifter"
U7_TX_GROUP1 U7_TX_GROUP2 U7_TX_GROUP3: library part U_Inverter, "IC 6-in-1 inverter"
X1: "Crystal Oscillator 25 MHz 3.3 V"

## Free pads (board coordinates)
  round 128 hole 128 unplated: 1(200,9100) 2(3700,9100) 3(200,100) 4(3700,100)

## Via types
v1: diameter 23.62, hole 11.81, Top Layer to Bottom Layer, 192 vias

## Nets (pads, with @x,y where several pads share a name; then routed paths per layer and width w, separated by ;. In a path a pad name is that pad's centre, name@x,y a point inside that pad or via, vN(x,y) a via of type N, cw(c..) or ccw(c..) an arc to the next point about the centre after c; other vN are vias at no path point)
3V3_MC_SW1: R36_MUX1.1 U2.38 | length 2543.7
  Top Layer w6: U2.38@641,4758.6 638.1,4761.5 602.5,4761.5 582,4782 582,5014 615,5047 877,5047 998,5168 998,6447 1323.5,6772.5 1323.5,6773.5 1339,6789 R36_MUX1.1@1340,6789
3V3_MC_SW2: R36_MUX2.1 U2.33 | length 2862.7
  Top Layer w6: U2.33@752.8,4831 755.7,4833.9 755.7,4866.99 762.71,4874 769.39,4874 780,4884.61 780,4958 805,4983 852,4983 1022,5153 1022,6133 1283,6394 1739,6394 2134,6789 R36_MUX2.1@2168,6789
3V3_MC_SW3: R36_MUX3.1 U2.26 | length 1635.1
  Top Layer w6: U2.26@890.6,4831 890.6,4856.6 896.4,4862.4 896.4,4865.47 902.8,4871.87 946.1,4871.87 1038,4963.77 1038,5139 1048,5149 1048,5962 1323.5,6237.5 1323.5,6238.5 1339,6254 R36_MUX3.1@1340,6254
3V3_MC_SW4: R36_MUX4.1 U2.25 | length 2298.8
  Top Layer w6: U2.25@910.3,4831 910.3,4856.01 913.2,4858.91 961.91,4858.91 1057,4954 1057,5116 1067,5126 1067,5710 1232,5875 1755,5875 2134,6254 R36_MUX4.1@2168,6254
3V3_MC_SW5: R36_MUX5.1 U2.24 | length 1112.4
  Top Layer w6: U2.24@963,4778.3 988.6,4778.3 991.5,4781.2 991.5,4786.5 1185,4980 1185,5564 1323.5,5702.5 1323.5,5703.5 1339,5719 R36_MUX5.1@1340,5719
3V3_MC_SW6: R36_MUX6.1 U2.23 | length 1734.7
  Top Layer w6: U2.23@963,4758.6 965.9,4761.5 994.57,4761.5 1215,4981.93 1215,5207 1406,5398 1846,5398 2167,5719 R36_MUX6.1@2168,5719
3V3_MC_SW7: R36_MUX7.1 U2.21 | length 646.3
  Top Layer w6: U2.21@963,4719.2 1005.2,4719.2 1262,4976 1262,5106 1323.5,5167.5 1323.5,5168.5 1339,5184 R36_MUX7.1@1340,5184
3V3_MC_SW8: R36_MUX8.1 U2.20 | length 1405.7
  Top Layer w6: U2.20@963,4699.5 1023.5,4699.5 1173,4849 1832,4849 2167,5184 R36_MUX8.1@2168,5184
3V3_MC_SW9: R36_MUX9.1 U2.6 | length 1356.8
  Top Layer w6: U2.6@792.2,4509 795.1,4506.1 795.1,4473.29 878.8,4389.59 878.8,4251.2 1096,4034 1143.09,4034 1225.89,4116.8 1225.89,4555.89 1315.01,4645.01 1336.01,4645.01 R36_MUX9.1@1340,4649
3V3_MC_SW10: R36_MUX10.1 U2.5 | length 1975.5
  Top Layer w6: U2.5@772.5,4509 772.5,4483.4 778.3,4477.6 778.3,4474.53 861,4391.83 861,4235 1086,4010 1177,4010 1559,4392 1910,4392 2167,4649 R36_MUX10.1@2168,4649
3V3_MC_SW11: R36_MUX11.1 U2.4 | length 977
  Top Layer w6: U2.4@752.8,4509 755.7,4506.1 755.7,4477.43 842,4391.13 842,4219 1078,3983 1209,3983 R36_MUX11.1@1340,4114
3V3_MC_SW12: R36_MUX12.1 U2.2 | length 1965.2
  Top Layer w6: U2.2@713.4,4509 710.5,4506.1 710.5,4477.43 702.57,4469.5 662.27,4469.5 641,4448.23 641,4368 1062,3947 2000,3947 2167,4114 R36_MUX12.1@2168,4114
3V3_MC_SW13: R36_MUX13.1 U2.1 | length 1291
  Top Layer w6: U2.1@693.7,4509 693.7,4483.99 690.8,4481.09 647.09,4481.09 612,4446 612,4353 1340,3625 R36_MUX13.1@1340,3579
3V3_MC_SW14: R36_MUX14.1 U2.48 | length 2511.6
  Top Layer w6: U2.48@613.09,4558.8 615.99,4561.7 U2.48@641,4561.7 641,4523 585,4467 585,4329 1297,3617 1297,3405 1375,3327 1915,3327 2167,3579 R36_MUX14.1@2168,3579
3V3_MC_SW15: R36_MUX15.1 U2.47 | length 1925.3
  Top Layer w6: U2.47@641,4581.4 638.1,4578.5 607,4578.5 601.5,4573 601.5,4524.5 545,4468 545,4306.25 1272.12,3579.13 1272.12,3111.88 1323.5,3060.5 1323.5,3059.5 1339,3044 R36_MUX15.1@1340,3044
3V3_MC_SW16: R36_MUX16.1 U2.43 | length 3442.4
  Top Layer w6: U2.43@641,4660.2 639.2,4662 607,4662 600.5,4668.5 600.5,4700.5 575,4726 477,4726 429,4678 429,4381 1216,3594 1216,2958 1374,2800 1923,2800 2167,3044 R36_MUX16.1@2168,3044
3V3_MC_SW17: R36_MUX17.1 U2.40 | length 2873.5
  Top Layer w6: U2.40@641,4719.2 638.1,4722.1 602.9,4722.1 578,4747 469,4747 402,4680 402,4361 1154,3609 1154,2634 1279,2509 R36_MUX17.1@1340,2509
3V3_MC_SW18: R36_MUX18.1 U2.39 | length 3987.3
  Top Layer w6: U2.39@641,4738.9 638.1,4741.8 606.64,4741.8 582.44,4766 463,4766 381,4684 381,4338 1086,3633 1086,2566 1344,2308 1966,2308 2167,2509 R36_MUX18.1@2168,2509
3V3_SW1: R36_MUX1.2 S1_MUX1.2 U7_TX_GROUP1.5 U8_TX_GROUP1.3 | length 2983.8
  Top Layer w6: R36_MUX1.2@1340,6726 1468,6726 1533,6661 1698.36,6661 1731.37,6694.01 1731.37,6717.37 1751,6737 1822,6737 1900.5,6815.5 2629.5,6815.5 2680,6765 2680,6675 2835,6520 2835,6399 2961,6273 3103,6273 ; U7_TX_GROUP1.5@3185.4,6305 3185.4,6281.5 3164.9,6261 3115,6261 3103,6273 ; U8_TX_GROUP1.3@3494.6,6539 3494.6,6562.5 3436.1,6621 3340,6621 3103,6384 3103,6273
3V3_SW2: R36_MUX2.2 S1_MUX2.2 U7_TX_GROUP1.3 U8_TX_GROUP1.9 | length 1647.4
  Top Layer w6: R36_MUX2.2@2168,6726 2296,6726 2361,6661 2526.36,6661 2559.37,6694.01 2559.37,6717.37 2579,6737 2579,6619 2961,6237 3192.1,6237 3236.6,6281.5 U7_TX_GROUP1.3@3236.6,6305 3236.6,6328.5 3251.6,6343.5 3353.6,6343.5 3366.6,6330.5 U8_TX_GROUP1.9@3366.6,6307